# KiCad board UsbSourceMeasure.kicad_pcb (continued)
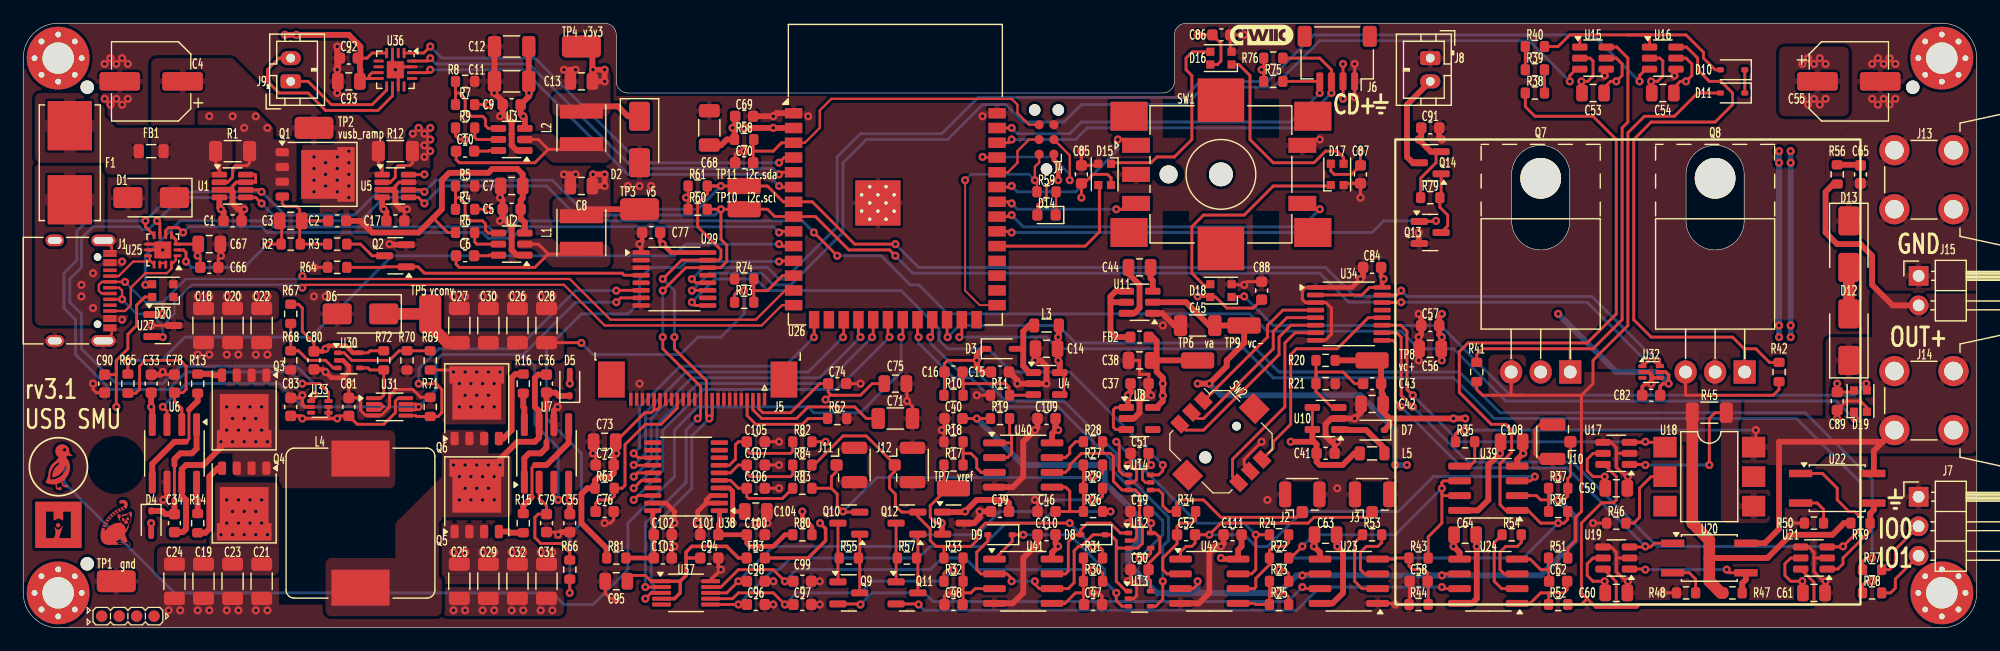
[diagram p0: board, top side]
## Nets (continued)
ref_div.output: R17.2 R18.1 U40.3
reg_3v3.boot_cap.neg: C10.2 L2.1 U3.2
reg_3v3.boot_cap.pos: C10.1 U3.6
reg_3v3.en_res.b: R9.2 U3.5
reg_3v3.fb.output: R7.2 R8.1 U3.4
reg_v5.boot_cap.neg: C6.2 L1.1 U2.2
reg_v5.boot_cap.pos: C6.1 U2.6
reg_v5.en_res.b: R6.2 U2.5
reg_v5.fb.output: R4.2 R5.1 U2.4
reg_v12.fb.output: C16.2 R10.2 R11.1 U4.3
reg_v12.power_path.switch: D3.2 L3.2 U4.1
reg_vcontrol.fb.output: C43.2 R20.2 R21.1 U10.3
reg_vcontrol.power_path.switch: D7.2 L5.2 U10.1
reg_vcontroln.cf.neg: C44.2 U11.3
reg_vcontroln.cf.pos: C44.1 U11.6
rgbs.din: D15.3 U26.31
rgbs.dout: D20.1
rgbs.led[0].dout: D15.1 D16.3
rgbs.led[1].dout: D16.1 D17.3
rgbs.led[2].dout: D17.1 D18.3
rgbs.led[3].dout: D18.1 D19.3
rgbs.led[4].dout: D19.1 D20.3
spk_drv.i2s.sck: U26.5 U36.16
spk_drv.i2s.sd: U26.4 U36.1
spk_drv.i2s.ws: U26.6 U36.14
spk_drv.out.a: J9.1 U36.9
spk_drv.out.b: J9.2 U36.10
touch_duck.pad: U26.21 U35.1
usb.cc.cc1: J1.A5 U25.10 U25.11
usb.cc.cc2: J1.B5 U25.1 U25.14
usb.pwr: F1.1 J1.A4 J1.A9 J1.B4 J1.B9
usb_chain_0.d_N: J1.A7 J1.B7 U26.13 U27.1
usb_chain_0.d_P: J1.A6 J1.B6 U26.14 U27.2
vanalog: C38.1 C49.1 C50.1 C51.1 C109.1 C110.1 C111.1 FB2.1 R80.1 TP6.1 U8.5 U12.5 U13.5 U14.5 U40.8 U41.8 U42.8
vcen_rc.output: C105.1 R82.2 U38.7
vcenter: C40.1 J10.1 R19.2 R25.1 R37.2 R82.1 U23.6 U24.6 U42.3
vcontrol: C42.1 C43.1 C53.1 C54.1 C59.1 C60.1 C61.1 C63.1 C64.1 C108.1 D7.1 R20.1 TP8.1 U15.5 U16.5 U17.5 U19.5 U21.5 U23.8 U24.8 U39.8
vcontroln: C45.1 C53.2 C54.2 C63.2 C64.2 C108.2 TP9.1 U11.2 U15.2 U16.2 U23.5 U24.5 U39.4
vconv: C25.1 C26.1 C27.1 C28.1 C29.1 C30.1 C31.1 C32.1 C55.1 C56.1 C57.1 D6.1 Q6.5 Q7.2 R69.1 R73.1 TP5.1
vconvin: C18.1 C19.1 C20.1 C21.1 C22.1 C23.1 C24.1 Q4.5 R12.2 U5.2
vimeas_amps.inn.0: R36.2 R37.1 U39.2
vimeas_amps.inp.1: R35.2 U39.5
vref: C104.1 FB3.1 R17.1 TP7.1 U9.2 U38.4
vusb: C3.1 C9.1 C11.1 C12.1 Q1.1 Q1.2 Q1.3 R1.2 R2.1 R9.1 U1.2 U3.3 U25.2
vusb_ramp: C2.1 C4.1 C5.1 C7.1 Q1.5 R6.1 R12.1 TP2.1 U2.3 U5.1

Pads without a net: J1 A8 B8; J5 21 MP; J6 MP; MH1 1; MH2 1; MH3 1; MH4 1; SW1 MP; SW2 MP; SYM1 1; SYM2 1; U8 4; U18 3 5; U26 16 26 28 29 30; U29 5 10 13; U34 13; U36 2 5 6 12 13; U38 17

## Via types
v1: diameter 0.7, hole 0.3, Front to Bottom, 515 vias

## Routing (per net, layer and track width the routed paths; a pad name or vN(x,y) marks a point on that pad's centre or on a via; arc(x,y) is an arc through that point)
gnd: length 284
  Front w0.2: 7.61,25.65 7.61,25.25 7.04,24.68 ; 12.25,31.88 11.75,31.88 ; 7.61,32.35 7.61,32.75 7.04,33.32
  Front w0.25: U19.2 137,6 ; 137,6 137,6.5 136.55,6.95 U19.4 ; 137,6 137,4.83 137.83,4 v1(138,4) 137.95,3.95 C60.2 ; U17.4 136.55,15.95 137,15.5 137,15 ; U12.2 95.5,7.5 95.75,7.75 95.75,8.5 95.25,9 v1(95,9) 95.22,9.23 C49.2 95,9.77 ; U15.4 136.14,47.64 v1(136,47.5) ; D16.2 103.81,49.65 C86.2 v1(105,51) ; v1(115,37) C87.2 113.69,38.23 D17.2 ; v1(72,21) C74.2 ; v1(64.5,4) C98.2 ; v1(91,41) C85.2 92.31,39.77 D15.2 ; C61.2 154.95,3.95 v1(155,4) 154.83,4 154,4.83 154,6 ; v1(156,18) C89.2 156.77,19.5 158,19.5 158.55,18.95 D19.2 ; v1(64.5,2) C96.2 ; R11.2 v1(82,20) ; v1(28,21) C81.2 28.72,19.77 29,19.5 29,18.71 29.41,18.3 30.8,18.3 31.5,19 31.5,20 32,20.5 33.5,20.5 34.18,19.82 R71.1 ; C66.2 16.78,31.73 17,31.95 v1(17,32) 16.95,32.05 C67.2 ; U5.7 32.32,38.33 32,38 32,37.5 ; 154,6 U21.2 ; 154,6 154,6.5 153.55,6.95 U21.4 ; v1(62,41) 61.5,41 61.22,40.73 C70.2 ; SW1.S2 110.5,42 v1(111.5,42) ; C72.2 49.22,14.77 v1(49,15) 49.05,15.05 C73.2 ; C105.2 v1(65,16) ; C37.2 96.8,21.02 96.8,21.8 96,21.8 96,23 C38.2 ; U1.8 19.97,38.98 19.97,38.35 20,38.33 U1.7 18.32,38.33 18,38 18,37.5 ; R50.2 v1(152,9) ; v1(92,3) 92.5,3 92.78,2.73 C47.2 ; J10.2 130.43,17.48 130,17.05 130,14.95 130.43,14.52 J10.2 ; 95,4.77 C50.2 95.22,4.23 v1(95,4) 95.5,4 95.75,3.75 95.75,2.75 95.5,2.5 U13.2 ; v1(114.5,45.62) J6.1 v1(114.5,48.5) ; v1(12,22) 12.22,21.77 C78.2 ; R46.2 v1(135,9) ; v1(32,48) 31.75,48.25 U36.3 ; v1(32,48) 32.25,47.75 U36.11 ; v1(32,48) 32.25,48.25 U36.15 ; C95.2 50.05,2.95 50.5,2.5 v1(51,2.5) ; C76.2 50.78,9.27 50.5,9 v1(50,9) ; C88.2 105.28,29.77 v1(105,29.5) 103.97,29.5 D18.2 ; U34.8 111.97,24.73 112.5,25.25 112.5,27.5 112.03,27.98 U34.3 110.28,27.98 110,28.25 110,29 110.28,29.27 U34.1 ; 79.18,17 79.18,17.95 C40.2 ; 79.18,17 R18.2 ; 79.18,17 v1(79,17) ; C79.2 45.78,8.23 v1(46,8) ; v1(68.5,2) C97.2 ; C107.2 v1(65,14) ; R64.1 v1(25,31) ; C90.2 6.28,20.23 6,20.5 v1(6,21) ; C59.2 137.95,12.95 v1(138,13) 137.83,13 137,13.83 137,15 ; v1(142,47.5) 142.14,47.64 U16.4 ; C71.2 76.47,19.02 v1(76,19.5) 76,21 ; v1(33,36) 32.78,35.77 C17.2 ; v1(80,3) 79.5,3 79.22,2.73 C48.2 ; v1(11,26) U27.3 ; v1(68.5,4) C99.2 ; v1(106.5,16) 105,14.5 105,14 SW2.5 ; 137,15 U17.2 ; C106.2 v1(65,12) ; U23.1 117.91,2.09 v1(118,2) R44.2 119.22,2.05 C58.2 ; v1(141,3) R48.2 ; C46.2 87.22,10.77 v1(87,11) ; U25.9 v1(12,32.5) 11.5,33 U25.8 ; U14.2 95.5,12.5 95.75,12.76 95.75,13.5 95.25,14 v1(95,14) 95.22,14.23 C51.2
  Front w0.3: v1(24,20) 24,19.25 24.25,19 U33.2 ; 59.2,4 59.2,4.2 v1(60,5) 59.78,5.23 C94.2 ; 139.75,22 140,21.75 v1(140,21) 139.5,21 139.22,20.73 C82.2 ; 139.75,22 U32.2 ; 139.75,22 140.25,21.5 U32.4 ; C83.2 23.72,19.77
  Front w0.4: C101.2 58.22,8.77 v1(58,9) 58,10 58.72,10.73 ; v1(115,30) 114.28,29.27 U34.1 ; C103.2 55.78,6.77 v1(56,7) 55.78,7.23 C102.2 55.78,8.77 v1(56,9) 56,10 55.28,10.73 U38.19 ; U30.2 27.5,23 28,22.5 28,22 27.5,21.5 26.5,21.5 v1(26,22) 25.95,22 25.72,22.23 C80.2 ; U29.1 53.14,32.86 v1(53,33) 53.22,33.23 C77.2 ; U38.2 58.72,10.73 ; 58.72,10.73 58.72,10.97 59.13,11.38 U38.3
  Front w0.5: C5.2 41.22,36.77 41.05,36.95 C7.2 ; C5.2 41.22,35.27 42,34.5 42,32.5 42.45,32.05 U2.1 ; C5.2 41.22,35.23 v1(41,35) ; U11.1 97.95,27.05 99,26 C45.2 ; U41.4 85.09,2.09 86,3 86,6 v1(87,7) 87.22,7.23 C110.2 ; C37.2 96.78,20.23 v1(97,20) 96.5,20 96,19.5 96,18.5 95.5,18 U8.2 ; C69.2 v1(64.5,44) 64.76,44.26 U26.1 ; C39.2 v1(82.25,10) 82.25,9.5 81.75,9 U9.3 ; C14.2 87,23.95 v1(87,23) 87.5,23 88,22.5 v1(88,21) U4.2 v1(85.5,21) 85.5,21.27 C15.2 ; 27.05,49 27.05,48.05 v1(27,48) ; 47,47 47,48 v1(47.5,48) v1(46.5,48) ; v1(120,23) 120.05,23.05 C56.2 120.05,24.95 v1(120,25) 120.22,25.23 C57.2 120.22,26.77 v1(120,27) ; v1(47.5,39) v1(46.5,39) 47,39 47,38 ; v1(12.04,11) 12.36,11.33 U6.6 ; C35.2 46.22,8.23 v1(46,8) ; U5.3 31.82,37.67 32,37.5 32,36.5 32.5,36 v1(33,36) ; C9.2 41.22,44.27 42,43.5 42,41.5 42.45,41.05 U3.1 ; C9.2 41.22,44.23 v1(41,44) ; C9.2 41.22,45.27 v1(40.5,46) 40.5,46.98 C11.2 C12.2 ; Q13.2 120,33.11 v1(120,34) ; C111.2 103.22,7.23 v1(103,7) 102.5,7 102,6.5 102,3 101.09,2.09 U42.4 ; U1.3 17.82,37.67 18,37.5 18,36.5 18.5,36 v1(19,36) 18.78,35.77 C1.2 ; C33.2 11.78,21.77 v1(12,22) ; U40.4 85.09,12.09 86,13 86,16 v1(87,17) 87.22,17.23 C109.2 ; v1(27,48) v1(27,50) ; v1(27,48) v1(27,46) ; U7.6 45.63,18.67 v1(45.96,19) ; Q2.2 31.55,32.95 v1(31.5,33) ; v1(122,42) 121.78,42.23 C91.2 ; C84.2 115.22,30.23 v1(115,30) ; C41.2 112.78,15.77 v1(113,16) 112.5,16 112,16.5 112,17.5 112.5,18 U10.2 v1(114.5,18) 115.05,18.55 115.05,19
  vias: v1(7,48.5) v1(7,45.5) v1(7.5,49) v1(7.5,45) v1(8,48.5) v1(8,45.5) v1(8.5,49) v1(8.5,45) v1(9,48.5) v1(9,45.5) v1(12.5,1.5) v1(13.5,1.5) v1(15,23.5) v1(15,1.5) v1(16,23.5) v1(16,1.5) v1(17.5,23.5) v1(17.5,1.5) v1(18.5,23.5) v1(18.5,1.5) v1(20,23.5) v1(20,1.5) v1(21,23.5) v1(21,1.5) v1(25,28.5) v1(26,28.5) v1(37,28.5) v1(37,6.5) v1(38,28.5) v1(38,6.5) v1(39.5,28.5) v1(39.5,6.5) v1(40.5,28.5) v1(40.5,6.5) v1(41,37) v1(42,28.5) v1(42,6.5) v1(43,28.5) v1(43,6.5) v1(44.5,28.5) v1(44.5,6.5) v1(45.5,28.5) v1(45.5,6.5) v1(52,38) v1(53,38) v1(53,21) v1(54,38) v1(63,9) v1(64,9) v1(67.5,44) v1(82.5,44) v1(98,26) v1(107,11) v1(113,12) v1(132,13) v1(159,48.5) v1(159,45.5) v1(159.5,49) v1(159.5,45) v1(160,48.5) v1(160,45.5) v1(160.5,49) v1(160.5,45) v1(161,48.5) v1(161,45.5)
v3v3: length 365
  Front w0.2: v1(89,38.5) 88.5,38.5 88,38 88,37.14 87.21,36.36 D14.2
  Front w0.25: U5.8 34.47,38.98 v1(34.5,39) ; v1(113.5,48.5) J6.2 v1(113.5,45.5) ; J5.19 54.75,19 54.5,18.75 54.25,18.75 ; R60.1 57.18,36.83 v1(57,37) 57.18,37.17 R61.1 ; 15,32.5 15.05,32.55 C67.1 ; C67.1 15.05,32.05 v1(15,32) ; C67.1 15.05,31.95 15.22,31.77 C66.1 ; R72.1 29.82,23.82 29.65,23.65 U30.5 ; 12.75,33.62 12.88,33.62 13.12,33.38 13.12,33 ; U34.16 115.78,29.27 115.12,28.62 U34.2 ; C80.1 25,24.5 24,25.5 24,27.5 23.68,27.82 R67.1 ; 54.25,18.75 54,18.5 53.45,18.5 C73.1 ; 54.25,18.75 J5.20 ; U25.3 15,33 ; U33.5 U33.4 ; R75.1 106.68,47.83 v1(106.5,48) 106.68,48.17 R76.1 ; 33.05,19.75 32.25,19.75 32,19.5 32,18.5 31,17.5 28.72,17.5 C81.1 27.22,18.23 v1(27,18) ; R7.1 v1(40,45)
  Front w0.3: 26,18 v1(24,18) 23.78,18.23 C83.1 ; 26,18 v1(27,18) ; 26,18 26.25,18 U33.4 ; U32.5 141.25,22 141.5,21.75 v1(141.5,21) 141,21 140.78,20.77 C82.1
  Front w0.4: U30.5 28.35,23.65 27.75,24.25 26.25,24.25 25.78,23.77 C80.1 ; C77.1 54.78,33.23 v1(55,33) 55.72,32.27 U29.16 ; U34.16 116.86,29.86 v1(117,30) 116.78,30.23 C84.1 ; J4.1 88.63,40.23 89,39.87 v1(89,38.5)
  Front w0.5: U1.4 16.86,36.14 17.22,35.77 ; D2.1 52,44 51.15,44.85 48,44.85 ; 17.22,35.77 C1.1 ; 17.22,35.77 v1(17,36) ; C73.1 50.95,15.05 v1(51,15) 50.78,14.77 C72.1 50.78,13.27 50.5,13 49.5,13 49.18,12.67 R63.1 48.5,12 48,11.5 48,9 50.18,6.83 R81.1 ; 31.22,35.77 C17.1 ; 31.22,35.77 30.86,36.14 U5.4 ; 31.22,35.77 v1(31,36) ; 49.47,47 v1(50,47) v1(50,48) v1(49,48) ; C69.1 61.22,43.23 v1(61,43) ; 61.18,42.67 R58.1 60.5,42 60,41.5 59.03,41.5 C68.1 ; C13.1 48.95,49.95 49,50 ; U26.2 64.51,42.99 v1(64.5,43) v1(62,43)
  In2.Cu w0.5: 17,33 18,33 19,32 30,32 31,31 ; 17,33 16,33 v1(15,32) ; 17,33 v1(17,36) ; 86.94,41.06 87.44,41.56 89,40 v1(89,38.5) ; 64.5,42 v1(64.5,43) ; v1(117,30) 129,30 v1(132,27) ; v1(24,18) v1(27,18) 27,23 v1(26,24)
  In2.Cu w1: 37,39 37,37 26,26 v1(26,24) ; 37,39 v1(34.5,39) ; 37,39 38,39 41,42 ; v1(113.5,48.5) v1(113.5,45.5) 109,41 107,43 ; 41,42 40,43 v1(40,45) ; 41,42 49,42 ; 107,43 88.88,43 85.88,40 85,40 83,42 62.5,42 ; 107,43 106.5,43.5 v1(106.5,48) ; 107,43 110,40 110,35 113,32 115,32 v1(117,30) ; 49,42 v1(49,48) ; 49,42 50.5,42 ; v1(49,48) v1(50,47) ; v1(49,48) v1(50,48) v1(50,47) ; 50.5,42 50,42 v1(50,47) ; 50.5,42 55,42 ; v1(51,15) 51,26 53,28 53,31 v1(55,33) 57,35 v1(57,37) 57,42 55,42 ; 33.5,33.5 v1(31,36) ; 55,42 65.5,42 63,42 v1(62,43) v1(61,43) 60,42
  Bottom w0.5: v1(132,27) 137,22 140.5,22 v1(141.5,21)
v5: length 350.7
  Front w0.25: 48.15,36 48,35.85 ; C92.1 29.56,49 30,49.44 U36.4 ; R79.1 120.18,38.67 121.5,40 121.5,41 ; D17.4 112.45,39.3 112.75,39 114.22,39 C87.1 v1(115,41) ; v1(156,21) C89.1 157.31,20.27 D19.4 ; U8.1 93.95,18.95 93.75,18.75 93.75,17.25 93.95,17.05 U8.3 ; U36.7 30,47.75 29.75,47.5 29.75,47.25 U36.8 29.2,47.25 C93.1 ; D15.4 93.55,38.7 93.25,39 92,39 91.22,38.23 C85.1 v1(91,37) ; v1(101,28.5) 102.03,28.5 D18.4 102.55,28.45 103.5,27.5 105.78,27.5 C88.1 ; 89.5,20 89.5,22 ; v1(101,51) C86.1 103,50.27 103,48.75 102.7,48.45 D16.4 ; C90.1 8,21.77 8,23 ; 8,23 9,24 9,25.25 9.75,26 9.75,27.75 10.45,28.45 D20.4 ; 8,23 v1(8,19) ; U10.5 U10.4 ; 39,36 v1(40,36)
  Front w0.5: 29,49 29,50 28,51 v1(23.5,51) v1(22.5,51) ; C37.1 95.22,20.23 v1(95,20) 95,19.09 U8.1 ; 111,16 111.22,15.77 C41.1 111.22,14.27 111.5,14 113.47,14 114.47,15 L5.1 ; 111,16 v1(109,16) ; 111,16 110.86,16.14 U10.5 ; U4.5 89.14,22.86 v1(89,23) 89,23.94 89.06,24 ; 28.95,49 28.95,48.05 29,48 29,47 ; Q14.2 121.05,40.95 v1(120,42) 120.22,42.23 C91.1 ; C8.1 v1(50,38) v1(50,39) v1(49,39) ; U6.4 11.09,18.91 v1(11,19) C33.1 ; C39.1 84.78,10.73 84.5,11 82,11 v1(81,10) 80.95,9.95 U9.1 ; D4.2 v1(11,9) ; v1(89,25) 89.06,25.06 L3.1 ; TP3.1 48.15,36 ; D5.2 v1(47,21) ; C35.1 v1(47,11) 46.91,11.09 U7.4
  In2.Cu w0.5: v1(109,16) 102,23 95,23 ; 45,26 50,31 v1(50,39) ; 45,26 35,26 30,21 30,16.71 26,12.71 26,8 22,4 13,4 11,6 v1(11,9) v1(11,19) 5,19 1,23 1,39 6,44 12,44 19,51 v1(23.5,51) ; 45,26 45,24 47,22 v1(47,21) v1(47,11) 48,10 60.5,10 61.5,11 67,11 68,12 81,12 ; 81,12 v1(81,10) ; 81,12 82,13 82,16 85,19 91,19 91,23 ; 91,23 v1(89,23) v1(89,25) ; 91,23 95,23 ; 95,23 v1(95,20) ; v1(50,39) v1(49,39) ; v1(50,39) v1(50,38) ; v1(40,36) 50,36
v12: length 38.8
  Front w0.25: R10.1 79.22,20.05 C16.1 79.22,22.73 79.5,23 v1(82,23) ; J5.2 63.25,18.85 63.6,18.5 66,18.5 68.5,21 C74.1 69.22,20.27 69.5,20 70,20 ; C75.1 73,21 72,20 70,20 ; v1(69,19.62) 69.38,20 70,20
  Front w0.5: C15.1 82.5,22 82,22.5 v1(82,23) 82,23.5 82.5,24 D3.1
  In2.Cu w0.5: v1(82,23) 72.38,23 v1(69,19.62)
adc.cs: length 25
  Front w0.25: v1(52.5,15) 52.88,14.62 U38.13 ; U26.15 68.01,25.02 v1(68,25)
  Bottom w0.25: v1(52.5,15) 53,15.5 53,19 56.5,22.5 65.5,22.5 v1(68,25)
adc.ic.avdd: length 11.5
  Front w0.25: 59.78,8.91 59.86,9 ; C101.1 59.78,8.77
  Front w0.4: 59.78,8.91 C101.1 C100.1 62.22,7.27 62.5,7 64.5,7 65.5,8 R80.2 ; 59.86,9 U38.1 59.86,9.14
adc.ic.dvdd: length 6.6
  Front w0.4: U38.20 54.14,9 54.22,8.91 C102.1 C103.1 R81.2 51.78,5.95
adc.mclkin: length 33.2
  Front w0.25: v1(74.5,25) 74.37,25.14 U26.20 ; v1(52.5,11) 52.88,11.38 U38.18
  Bottom w0.25: v1(74.5,25) 70,20.5 58.5,20.5 55,17 55,13.5 v1(52.5,11)
adc.spi.miso: length 31.4
  Front w0.25: v1(52.5,12) 53.18,12.67 U38.16 ; U26.19 73.09,25.09 v1(73,25)
  Bottom w0.25: v1(73,25) 69,21 58,21 54.5,17.5 54.5,14 v1(52.5,12)
adc.spi.mosi: length 29.9
  Front w0.25: U26.18 71.82,25.18 v1(72,25) ; v1(52.5,13) 52.82,13.33 U38.15
  Bottom w0.25: v1(52.5,13) 54,14.5 54,18 57.5,21.5 68.5,21.5 v1(72,25)
adc.spi.sck: length 27.8
  Front w0.25: v1(70.5,25) 70.56,25.05 U26.17 ; v1(52.5,14) 52.53,13.98 U38.14
  Bottom w0.25: v1(52.5,14) 53.5,15 53.5,18.5 57,22 67.5,22 v1(70.5,25)
boost_rc.input: length 49.4
  Front w0.25: v1(65,31.5) 65.06,31.56 U26.11 ; R66.1 v1(47,3)
  Bottom w0.25: v1(47,3) 47,8 48,9 48,15 45,18 45,24 48,27 52,27 53,28 53,30 54,31 56.5,31 57,31.5 v1(65,31.5)
boost_rc.output: length 10.1
  Front w0.25: R66.2 47,6.5 46.25,7.25 44.5,7.25 44,7.75 44,9.5 44.28,9.77 C79.1 45,10.5 44.37,11.13 U7.2
buck_rc.input: length 62.6
  Front w0.25: v1(65,33) 65.17,32.83 U26.10 ; v1(9,23) R65.1
  Bottom w0.25: v1(9,23) 11.9,23 13.9,25 24.75,25 31.75,32 56,32 57,33 v1(65,33)
buck_rc.output: length 13.7
  Front w0.25: R65.2 9.67,20.18 10,20.5 10,22.5 10.5,23 13.5,23 14,22.5 14,20.5 13.72,20.23 C78.1 13,19.5 13.64,18.86 U6.2
ci_amps.inp.0: length 6.9
  Front w0.25: R33.2 R32.2 80.82,3 ; U41.3 81.87,3.37 81.5,3 80.82,3 ; 80.82,3 80.82,2.05 C48.1
ci_amps.inp.1: length 7.1
  Front w0.25: C47.1 91.18,2.05 91.18,3 ; U41.5 89.59,2.09 90.5,3 91.18,3 ; 91.18,3 R30.2 R31.2
ci_amps.out.0: length 16.2
  Front w0.25: U41.1 85.05,7.43 D9.1 v1(86,8) ; U13.3 94.49,1.85 94,2.34 v1(94,3)
  Bottom w0.25: v1(86,8) 90,8 93,5 93,4 v1(94,3)
ci_amps.out.1: length 10.5
  Front w0.25: U41.7 89.63,4.63 89.88,4.88 89.88,7.38 90.5,8 D8.2 90.95,8.45 91.5,9 93.5,9 94.35,8.15 U12.1
cintref_amps.inn.0: length 8.4
  Front w0.25: R34.2 100.82,9.33 100.5,9 99.5,9 99.22,8.73 C52.2 99.22,7.23 98,6 98,5 98.37,4.63 U42.2
cintref_amps.inn.1: length 7.8
  Front w0.25: U42.6 105.87,3.37 106,3.5 106,4.25 107.18,5.42 R22.2 107.18,6.67 107.5,7 108.5,7 108.82,7.33 R24.2
cintref_amps.inp.1: length 4.7
  Front w0.25: U42.5 105.91,2.09 106,2 R25.2 R23.2
cintref_amps.out.1: length 24.7
  Front w0.25: v1(94,16) 94.25,15.75 94.25,13.5 94.6,13.15 U14.1 ; R24.1 v1(106,8) 106,5 105.63,4.63 U42.7
  Bottom w0.25: v1(106,8) 105,9 101,9 v1(94,16)
control.drive: length 90.8
  Front w0.25: v1(108,5) 108.5,5 108.82,4.67 R23.1 ; R36.1 132.82,9.33 132.5,9 130.5,9 129.41,10.09 U39.1 127.5,10.09 127,10.6 127,14.1 128,15.1 128,17 127.5,17.5 126.25,17.5 123.5,20.25 123.5,23.75 124.25,24.5 134.5,24.5 137,27 137,42 135,44 130,44 129.18,44.83 R38.1
  Bottom w0.25: v1(132,9) 129,6 109,6 v1(108,5)
control.driver.clamp1.cathode: length 2
  Front w0.25: D10.1 D11.1
control.driver.high_fet.gate: length 41.9
  Front w0.25: 133,22 Q7.1 ; Q7.1 133.04,23.96 133,24 ; Q7.1 133.19,22 ; Q7.1 132.82,21.79 ; 133,24 125.5,24 125,23.5 R41.1 ; 133,24 135,24 137.5,26.5 137.5,43 138,43.5 138,49 137.05,49.95 U15.6
control.driver.low_fet.gate: length 50.8
  Front w0.25: 148,24 147,25 140,25 138.5,26.5 138.5,42 140,43.5 145.5,43.5 147,45 147,46 146,47 145,47 144,48 144,49 143.05,49.95 U16.6 ; 148,24 149,24 150.18,22.82 R42.1 ; 148,24 148.04,23.96 Q8.1 ; Q8.1 148.87,22.82 ; Q8.1 147.82,21.79
control.driver.out: length 101.5
  Front w0.25: 129,20 134,20 ; 129,20 128,20 127.96,20.04 Q7.3 ; 129,20 125.5,20 125,20.5 R41.2 ; 134,20 134,10 133.5,9.5 133.5,7.5 132.82,6.83 R51.1 ; 134,20 135,21 135,23 138,26 138,42.58 139.42,44 142,44 144,46 D11.2 ; R42.2 151,20.5 150.5,20 143,20 142.96,20.04 Q8.3
  Front w0.5: R49.1 156.59,9 155.59,8 152,8 150,6 145,6
  Front w1: 143.54,18 143.54,9 145,7.54 145,4 146,3 R47.1
control.driver.res.b: length 21.2
  Front w0.25: 138,51 143,51 144.5,49.5 144.5,49 145.5,48 D10.2 ; 138,51 134,51 ; 138,51 139.86,51 U16.1 ; 134,51 133,51 132,50 R40.2 ; 134,51 133.86,51 U15.1
control.driver.res.res[0].b: length 2
  Front w0.25: R39.1 R38.2
control.driver.res.res[1].b: length 2
  Front w0.25: R39.2 R40.1
control.high_gate_ctl: length 94.4
  Front w0.25: U29.11 57.53,29.02 v1(57.5,29) ; v1(133,47) 133,47.5 133.55,48.05 U15.3
  Bottom w0.25: v1(57.5,29) 59,30.5 63.5,30.5 64.5,29.5 66,29.5 70.5,34 70.5,40 72.5,42 79.5,42 82.5,45 84.5,45 86,43.5 89.5,43.5 91,45 100,45 101.5,46.5 107.5,46.5 111.5,50.5 129.5,50.5 v1(133,47)
control.iclamp.r.a: length 5.1
  Front w0.25: 75,4.05 74.95,4 ; Q12.3 Q11.1
control.iclamp.r.b: length 5
  Front w0.25: Q11.3 Q12.1
control.ifilt.outn: length 6.5
  Front w0.25: C62.2 132.78,3.27 132.5,3 130.5,3 129.59,2.09 U24.1 ; R52.2 131.18,3
control.ifilt.outp: length 5.1
  Front w0.25: R51.2 131.18,5 ; 131.18,5 130.5,5 129.59,5.91 U24.4 ; 131.18,5 131.18,4.05 C62.1
control.imeas.output: length 49.6
  Front w0.25: v1(122,3.5) 122.13,3.37 U24.7 ; v1(77,2) 76.95,2.05 Q11.2
  Bottom w0.25: v1(77,2) 77.5,1.5 109.5,1.5 111.5,3.5 v1(122,3.5)
control.imeas.rg.a: length 6.5
  Front w0.25: U24.2 127.13,3.37 126.5,4 126.5,7.33 R54.1
control.imeas.rg.b: length 6
  Front w0.25: U24.3 127.37,4.63 127,5 127,6.5 127.5,7 128.5,7 128.82,7.33 R54.2
control.int_link: length 16
  Front w0.25: U14.4 97.65,11.85 98,11.5 98,10.5 98.5,10 R34.1 99.18,10.67 99.5,11 101.5,11 103,9.5 109.55,9.5 J2.1
control.isense.ranges[0].isense.pwr_out: length 12.6
  Front w0.25: R45.2 145.5,18.5 145,18 v1(145,14) ; v1(139.5,14) 139.45,14.05 U17.1
  Bottom w0.25: v1(145,14) v1(139.5,14)
control.isense.ranges[0].pwr_sw.res.a: length 6.7
  Front w0.2: U18.2 141,13
  Front w0.25: R46.1 138.5,9 139,9.5 139,12 140,13 U18.2
control.isense.ranges[1].isense.pwr_out: length 12
  Front w0.25: v1(146.5,5) 146.77,4.73 U20.3 ; v1(139.5,5) 139.45,5.05 U19.1
  Front w0.5: R47.2 147.82,3.83 148.15,4.15 U20.3
  Bottom w0.25: v1(146.5,5) v1(139.5,5)
control.isense.ranges[1].pwr_sw.res.a: length 3.4
  Front w0.25: R48.1 143.82,4.17 143.27,4.73 U20.2
control.isense.ranges[2].isense.pwr_out: length 7.9
  Front w0.25: R49.2 158.82,8.33 156.5,6 156.5,5.5 156.05,5.05 U21.1
  Front w0.5: U22.3 159.15,10.15 158.82,9.83 R49.2
control.isense.ranges[2].pwr_sw.res.a: length 3.4
  Front w0.25: U22.2 154.27,10.73 154.82,10.17 R50.1
control.isense.sense_out: length 43.8
  Front w0.25: 136.5,1.75 138.75,1.75 139,2 153.75,2 154,2.25 154,3.91 U21.6 ; 136.5,1.75 136.75,1.75 137,2 137,3.96 135.91,5.05 U19.6 136.2,5.05 ; 136.5,1.75 135.25,1.75 134.5,2.5 ; 134.5,2.5 134,2 R52.1 ; 134.5,2.5 134,3 134,9 135.75,10.75 136.75,10.75 137,11 137,13 135.95,14.05 U17.6
control.limit_sink: length 37.9
  Front w0.25: v1(78,25) 78.18,25.18 U26.23 ; U13.4 97.4,1.85 98,2.45 v1(98,4)
  Bottom w0.25: v1(98,4) 98,7 98.5,7.5 98.5,9.5 94,14 94,15 89.5,19.5 84.5,19.5 82,22 80.5,22 78,24.5 v1(78,25)
control.limit_source: length 35.4
  Front w0.25: v1(96,6) 96.55,6 96.95,6.4 U12.4 ; v1(77,25) 76.91,25.09 U26.22
  Bottom w0.25: v1(96,6) 98,8 98,9.21 93.5,13.71 93.5,14.5 89,19 84,19 81.5,21.5 80,21.5 77,24.5 v1(77,25)
control.low_gate_ctl: length 99.3
  Front w0.25: v1(57.5,30) 57.82,29.68 U29.12 ; U16.3 139.55,48.05 139,47.5 v1(139,47)
  Bottom w0.25: v1(139,47) 135,51 111,51 107,47 101.21,47 99.84,45.62 82.12,45.62 79,42.5 72,42.5 70,40.5 70,34.5 65.5,30 65,30 64,31 58.5,31 v1(57.5,30)
control.meas_i: length 37.8
  Front w0.25: v1(92,7) 92.5,7 92.82,6.67 R31.1 ; R84.1 68,14 70.5,16.5 72.5,16.5 74.95,14.05 J12.1 74.95,13.45 74.5,13 74.5,12 75,11.5 75,10.5 75.55,9.95 Q12.2 76.94,9.56 78,8.5 78,7.5 78.5,7 ; 78.5,7 79.18,7 R33.1 ; 78.5,7 81.5,7 82,7.5 82,8.25 82.75,9 v1(90,9)
  Bottom w0.25: v1(90,9) v1(92,7)
control.meas_v: length 32.1
  Front w0.25: 69.5,12 70,11.5 70,10.5 70.55,9.95 Q10.2 ; 69.5,12 R83.1 ; 69.5,12 69.5,13 69.95,13.45 J11.1 ; v1(92,13) 92.5,13 92.82,13.33 R27.1
  Bottom w0.25: v1(92,13) 91.93,12.92 73.43,12.92 v1(70.5,10)
control.outa: length 25.8
  Front w0.25: v1(110,7) 109,6 R22.1 ; U39.7 122.13,11.37 122,11.5 ; 122,11.5 v1(122,12) 122,12.5 122.13,12.63 U39.6 ; 122,11.5 122,9 120.82,7.83 R43.1
  Bottom w0.25: v1(110,7) 111,8 118,8 v1(122,12)
control.snub_r.pwr_out: length 2
  Front w0.5: C65.1 157.95,39.83 R56.2
control.tp_int: length 51.6
  Front w0.25: J3.1 115.55,9.5 111,9.5 110.5,9 103,9 v1(102,8) C52.1 ; C52.1 100.78,7.27 100.5,7 100,7 99.53,6.52 U42.1 ; C52.1 100.82,8.05 ; U39.3 129.63,12.63 v1(130,13)
  Bottom w0.25: v1(130,13) 121.25,13 118.25,10 110,10 107,7 106,7 105,8 v1(102,8)
control.tvs_p.ports.2: length 4
  Front w1: D12.2 D13.2
control.vclamp.r.a: length 5
  Front w0.25: Q10.3 Q9.1
control.vclamp.r.b: length 5
  Front w0.25: Q9.3 Q10.1
control.vdiv.output: length 8
  Front w0.25: R44.1 120.82,3.95 C58.1 120.78,4.73 120.5,5 119.5,5 119.18,5.33 R43.2 118,6 117.91,5.91 U23.4
control.vmeas.output: length 42.8
  Front w0.25: v1(72,2) 71.95,2.05 Q9.2 ; U23.7 110.13,3.37 v1(110,3.5)
  Bottom w0.25: v1(110,3.5) 108.75,2.25 78.25,2.25 77.5,3 73,3 v1(72,2)
control.vmeas.rg.a: length 6.5
  Front w0.25: R53.1 114.5,7.33 114.5,4 115.13,3.37 U23.2
control.vmeas.rg.b: length 6
  Front w0.25: R53.2 116.82,7.33 116.5,7 115.5,7 115,6.5 115,5 115.37,4.63 U23.3
conv.boost_sw.driver.ic.bst: length 10.9
  Front w0.25: 45,16 45,19
  Front w0.5: C36.1 45.78,20.23 46.05,19.95 D5.1 ; 45,19.95 45,19 ; 45,16 45,15.5 44.5,15 43.5,15 43.09,14.59 U7.1
conv.boost_sw.high_gate_res.a: length 2.7
  Front w0.5: U7.8 43.09,18.91 43,19 R16.1
conv.boost_sw.high_gate_res.b: length 7
  Front w0.5: Q6.4 41.28,16.27 42,17 42,21.5 42.32,21.82 R16.2
conv.boost_sw.low_gate_res.a: length 9.9
  Front w0.25: 44,14 43.75,13.75 43.75,11.25
  Front w0.5: 44,14 45,14 46.91,15.91 U7.5 ; 43.75,11.25 43,10.5 R15.1
conv.boost_sw.low_gate_res.b: length 2.1
  Front w0.5: Q5.4 41.72,8.27 41.82,8.17 R15.2
conv.buck_sw.driver.ic.bst: length 10.9
  Front w0.25: 13,11 13,14
  Front w0.5: D4.1 11.95,10.05 12.22,9.77 C34.1 ; 13,10.05 13,11 ; 13,14 13,14.5 13.5,15 14.5,15 14.91,15.41 U6.1
conv.buck_sw.high_gate_res.a: length 2.7
  Front w0.5: R14.1 15,11 14.91,11.09 U6.8
conv.buck_sw.high_gate_res.b: length 7
  Front w0.5: R14.2 15.68,8.17 16,8.5 16,13 16.72,13.73 Q4.4
conv.buck_sw.low_gate_res.a: length 9.9
  Front w0.25: 14.25,18.75 14.25,16.25 14,16
  Front w0.5: 14,16 13,16 11.09,14.09 U6.5 ; 14.25,18.75 15,19.5 R13.1
conv.buck_sw.low_gate_res.b: length 2.1
  Front w0.5: R13.2 16.18,21.82 16.28,21.73 Q3.4
conv.l1: length 11
  Front w0.5: C34.2 13.72,8.23 14,8.5 14,11 13.64,11.37 U6.7 13.64,13.63 14,14 15.5,14 17,15.5 v1(17,16)
  vias: v1(17.5,19) v1(17.5,17) v1(18,18) v1(18,16) v1(18.5,19) v1(18.5,17) v1(19,18) v1(19,16) v1(19.5,19) v1(19.5,17) v1(20,18) v1(20,16) v1(20.5,19) v1(20.5,17) v1(21,16)
conv.l2: length 11
  Front w0.5: C36.2 44.28,21.77 44,21.5 44,19 44.37,18.64 U7.7 44.37,16.37 44,16 42.5,16 41,14.5 v1(41,14)
  vias: v1(37,14) v1(37.5,13) v1(37.5,11) v1(38,14) v1(38,12) v1(38.5,13) v1(38.5,11) v1(39,14) v1(39,12) v1(39.5,13) v1(39.5,11) v1(40,14) v1(40,12) v1(40.5,13) v1(40.5,11)
conv_en_pull.io: length 30.5
  Front w0.25: U29.6 51.03,29.02 v1(51,29) ; v1(34.01,20.99) 35.51,20.99 36,20.5 36,18.5 35.68,18.18 R71.2 33.82,18.18 33.75,18.25 33.05,18.25
  Bottom w0.25: v1(34.01,20.99) 34.01,22.26 35.75,24 42.5,24 47.5,29 v1(51,29)
conv_latch.ic.out2: length 2.2
  Front w0.25: 29.95,18.75 30.68,18.75 30.97,19.03 30.75,19.25 29.95,19.25
conv_latch.out: length 67.3
  Front w0.25: U7.3 45.63,11.37 v1(46,11) ; 33.05,19.25 33.75,19.25 v1(34,19) 33.75,18.75 33.05,18.75 ; U6.3 12.36,18.64 v1(12,19) ; U29.7 51.38,28.38 v1(51,28)
  Bottom w0.25: v1(46,11) 46,15.5 44,17.5 44,22.5 43,23.5 ; v1(12,19) 14,21 22,21 24,19 v1(34,19) 35.5,20.5 35.5,23 36,23.5 43,23.5 ; 43,23.5 47.5,28 v1(51,28)